# Altium PCB rev2.PcbDoc
Units mil, origin at the board's own origin, x right, y up, seen from the top; angles counter-clockwise.
Board outline 6000 x 4000 mil, 2 copper layers (Top Layer, Bottom Layer); 37 components, 21 nets, 162 pads, 4 vias.
Unrouted connection lines stored in the file: 93.
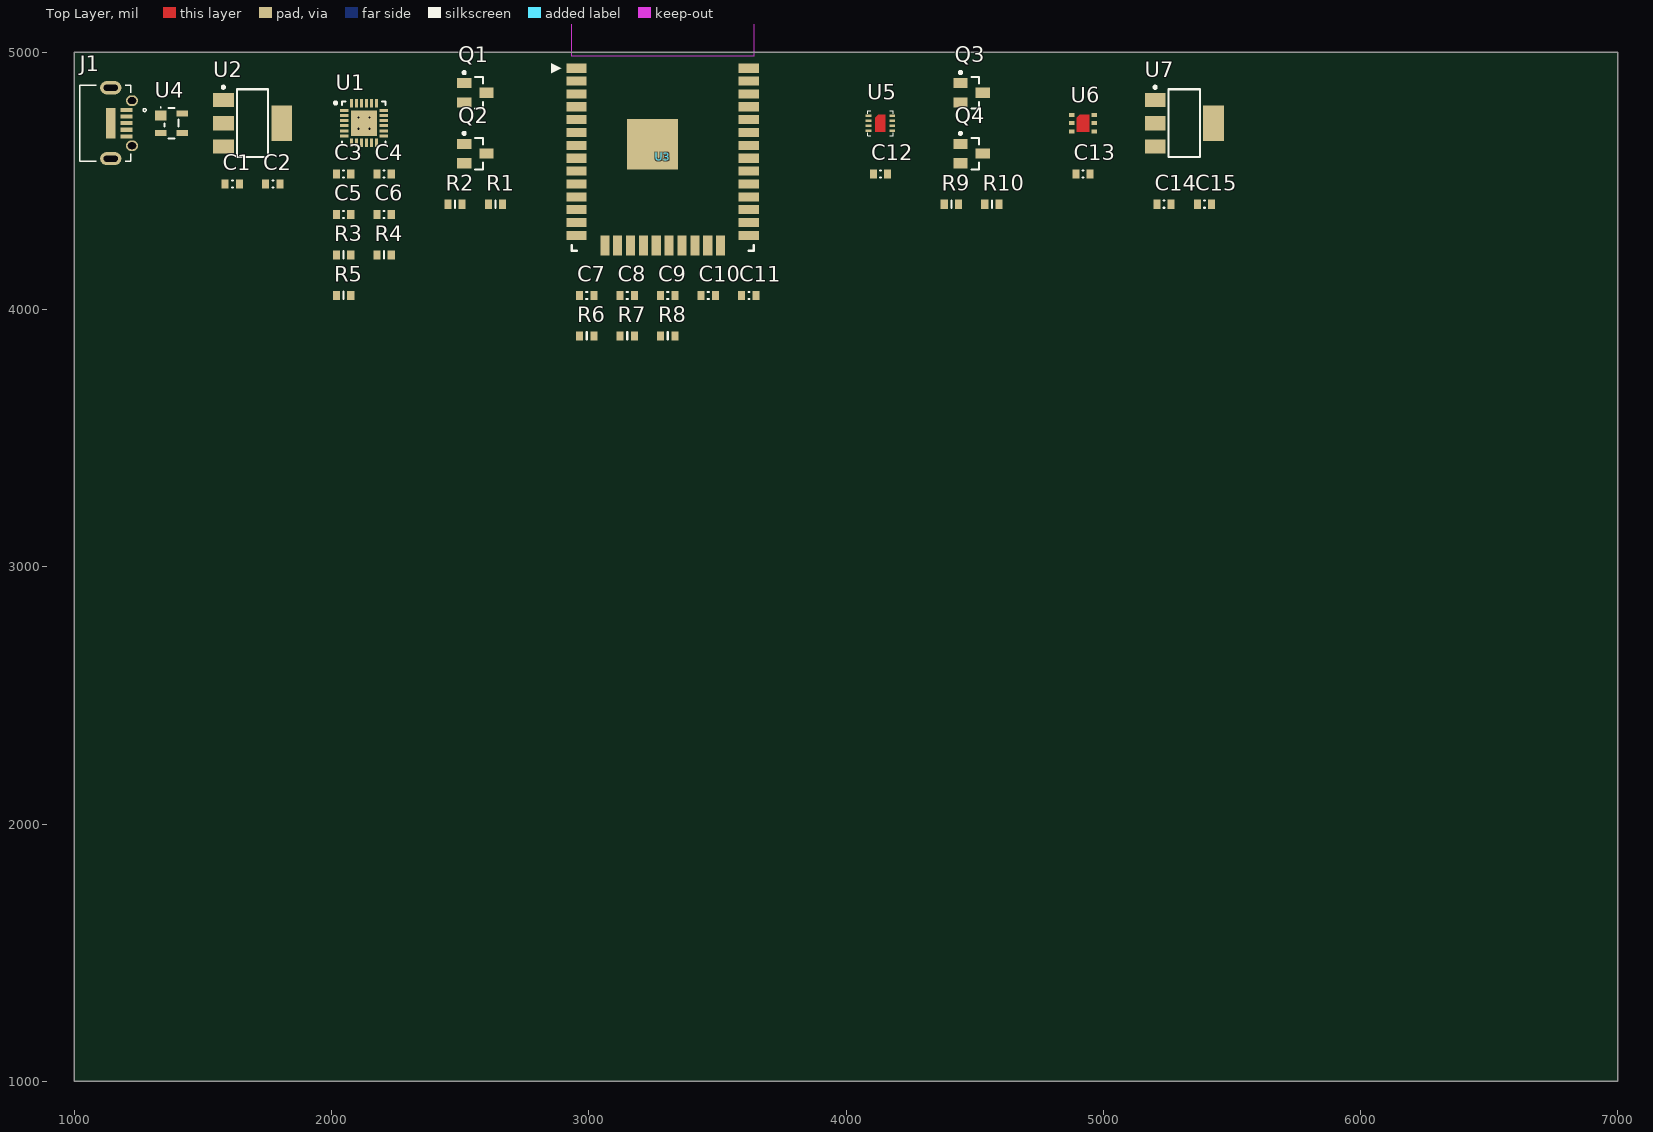
[diagram p0: Top Layer view]
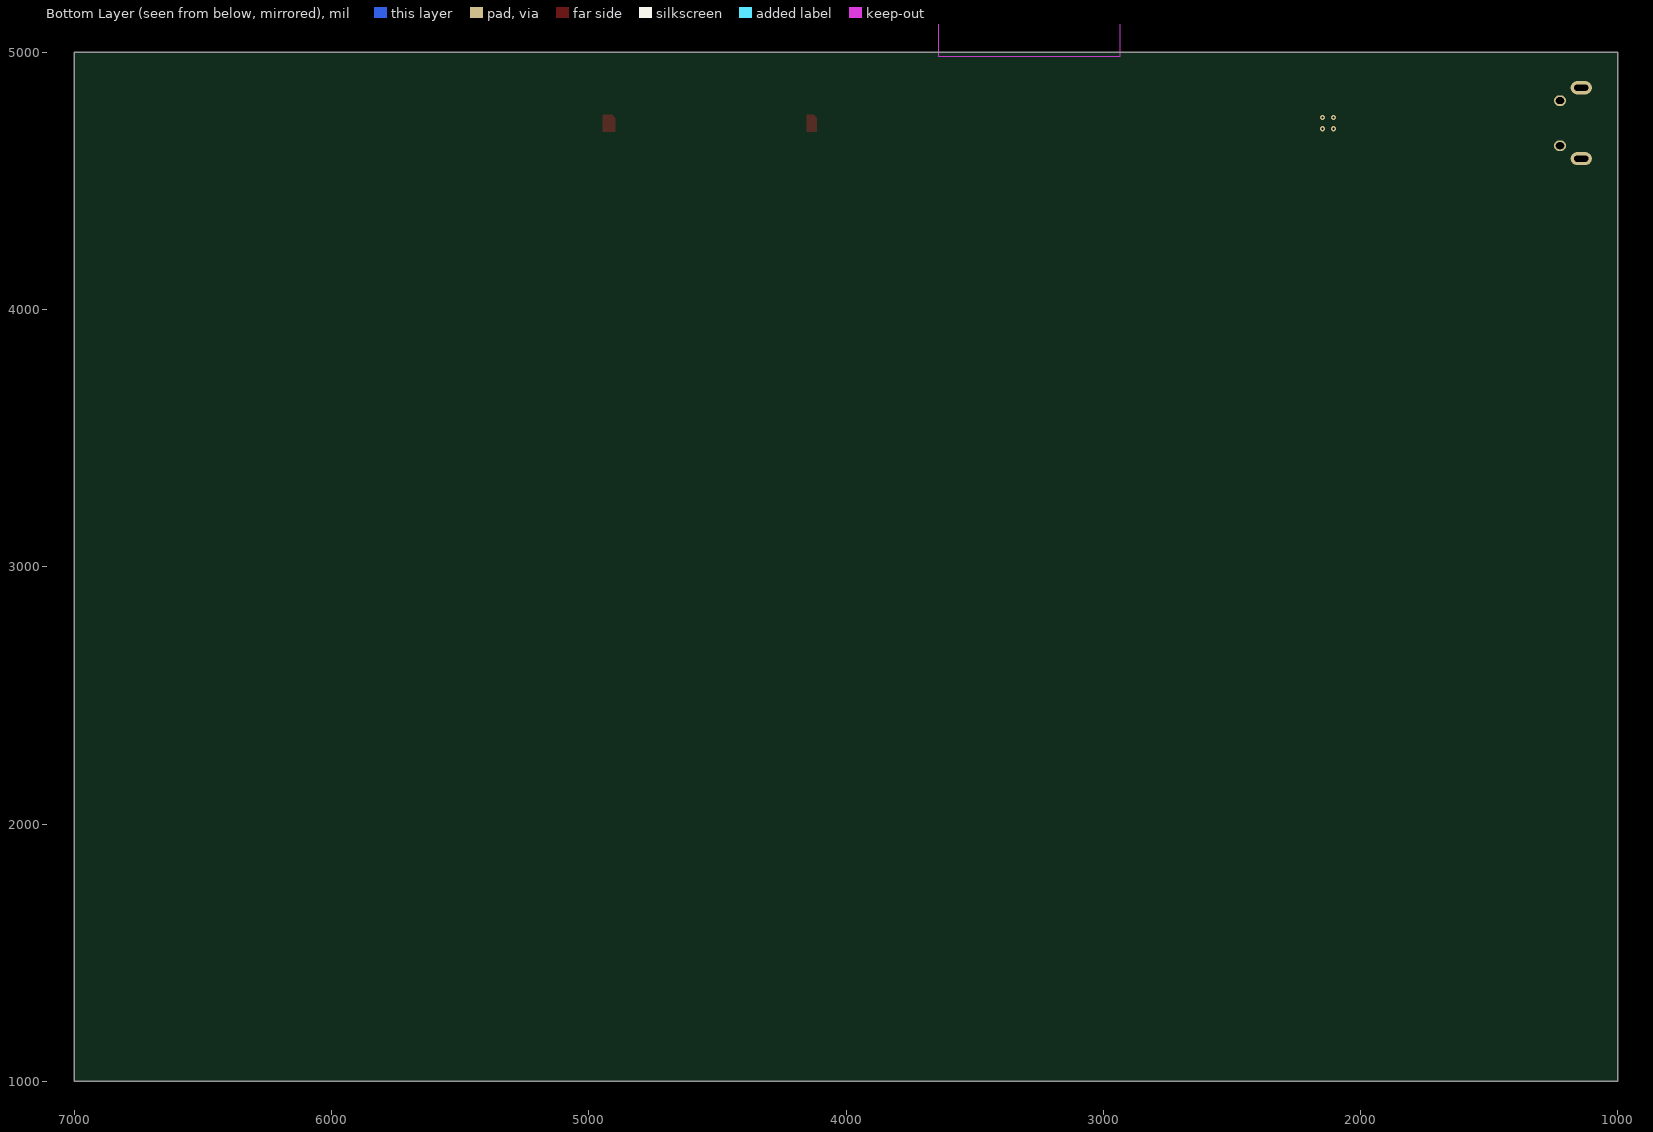
[diagram p1: Bottom Layer view, seen from below]

## Layer stack, top to bottom
Top Solder: solder mask 0.4, Solder Resist, Dk 3.5
Top Layer: signal copper 1.4
Dielectric 1: dielectric 12.6, FR-4, Dk 4.8
Bottom Layer: signal copper 1.4
Bottom Solder: solder mask 0.4, Solder Resist, Dk 3.5

## Board outline
1000,1000 7000,1000 7000,5000 1000,5000

## Design rules (kind name [scope] priority, off if disabled: settings)
Clearance [All] p1: gap=10 ignorepadtopadclearanceinfootprint=FALSE except(0: Arc-Hole Track-Hole SMDPad-Hole THPad-Hole Via-Hole Fill-Hole Poly-Hole Region-Hole Text-Hole)
PolygonConnect [All] p1: connectstyle=Relief reliefconductorwidth=10 reliefentries=4 polygonreliefangle="90 Angle" airgapwidth=10
RoutingVias [All] p1: holewidth=28 width=50 viastyle="Through Hole" minholewidth=28 minwidth=50 maxholewidth=28 maxwidth=50
SolderMaskExpansion [All] p1: expansion=4
Width [All] p1: maxlimit=10 minlimit=10 preferedwidth=10
30 further rules are at their usual default settings.

## Components (designator, comment, footprint, x,y, rotation, side; value= is the part's Value field where it differs from the comment)
C1 "0.1uF" CAP_0603 1614.17,4488.19 r0 top
C2 "10uF" CAP_0603 1771.65,4488.19 r0 top
C3 "0.1uF" CAP_0603 2047.24,4527.56 r0 top
C4 "4.7uF" CAP_0603 2204.72,4527.56 r0 top
C5 "0.1uF" CAP_0603 2047.24,4370.08 r0 top
C6 "4.7uF" CAP_0603 2204.72,4370.08 r0 top
C7 "10uF" CAP_0603 2992.13,4055.12 r0 top
C8 "0.1uF" CAP_0603 3149.61,4055.12 r0 top
C9 "0.1uF" CAP_0603 3307.09,4055.12 r0 top
C10 "0.1uF" CAP_0603 3464.57,4055.12 r180 top
C11 "0.1uF" CAP_0603 3622.05,4055.12 r180 top
C12 "0.1uF" CAP_0603 4133.86,4527.56 r180 top
C13 "0.1uF" CAP_0603 4921.26,4527.56 r180 top
C14 "0.1uF" CAP_0603 5236.22,4409.45 r180 top
C15 "10uF" CAP_0603 5393.7,4409.45 r180 top
J1 "UJ2-MIBH2-4-SMT-TR" CON_USB_MICRO_DRILL 1202.76,4775.59 r0 top
Q1 "SS8050-G" SOT-23 2559.06,4842.52 r0 top
Q2 "SS8050-G" SOT-23 2559.06,4606.3 r0 top
Q3 "BSS138" SOT-23 4488.19,4842.52 r0 top
Q4 "BSS138" SOT-23 4488.19,4606.3 r0 top
R1 "10kΩ" RES_0603_HD 2637.8,4409.45 r0 top
R2 "10kΩ" RES_0603_HD 2480.32,4409.45 r0 top
R3 "1kΩ" RES_0603_HD 2047.24,4212.6 r0 top
R4 "22k1Ω" RES_0603_HD 2204.72,4212.6 r0 top
R5 "47k5Ω" RES_0603_HD 2047.24,4055.12 r0 top
R6 "10kΩ" RES_0603_HD 2992.13,3897.64 r0 top
R7 "10kΩ" RES_0603_HD 3149.61,3897.64 r0 top
R8 "10kΩ" RES_0603_HD 3307.09,3897.64 r0 top
R9 "10kΩ" RES_0603_HD 4409.45,4409.45 r0 top
R10 "10kΩ" RES_0603_HD 4566.93,4409.45 r180 top
U1 "SLAB-CP2102N-QFN-24" SLAB-QFN-24-2550x2550TP_A_V 2125.98,4724.41 r0 top
U2 "LD1117S33TR" SOT-223 1692.91,4724.41 r0 top
U3 "ESP32-WROOM-32D" ESP_WROOM_32D 2933.07,5233.07 r0 top
U4 "SP0503BAHTG" SOT-143 1377.95,4724.41 r0 top
U5 "SHT30" SHT3x_8-VFDFN_Exposed_Pad 4133.86,4724.41 r0 top
U6 "SGP30" SGP30 4921.26,4724.41 r0 top
U7 "LD1117S18TR" SOT-223 5314.96,4724.41 r0 top

## Footprints (in the part's own frame and the unit in brackets; to place one, negate y for a bottom-side part, rotate by r counter-clockwise, add the part's x,y. Pads: shape width x height; smd on the part's side, far side on the other; paste and mask are expansions set on the pad)
CAP_0603 [mm] "Ceramic"
  rect 0.7x0.9 smd: 1(-0.7,0) 2(0.7,0)
  silkscreen extent -0.05,-0.35 0.05,0.35, body extent -0.8,-0.4 0.8,0.4, height 0.6
CON_USB_MICRO_DRILL [mm] "UJ2-MIBH2-4-SMT"
  rect 1.2x0.4 smd: 1(0,0) 2(0,-0.65) 3(0,-1.3) 4(0,-1.95) 5(0,-2.6)
  oval 2.1x1.3 hole 0.6 slot 1.4 at 0 deg: SH(-1.55,-4.8) SH(-1.55,2.2)
  rect 0.9x3 smd: SH(-1.55,-1.3)
  oval 1.2x1.05 hole 0.65 slot 0.8 at 0 deg: SH(0.55,-3.525) SH(0.55,0.925)
  silkscreen extent -4.6,-5.05 1.95,2.45, body extent -4.62,-5.05 0.67,2.45, height 2.81
ESP_WROOM_32D [mm] "ESP32 SoM"
  rect 2x0.9 smd: 1(0.5,-7.49) 2(0.5,-8.76) 3(0.5,-10.03) 4(0.5,-11.3) 5(0.5,-12.57) 6(0.5,-13.84) 7(0.5,-15.11) 8(0.5,-16.38) 9(0.5,-17.65) 10(0.5,-18.92) 11(0.5,-20.19) 12(0.5,-21.46) 13(0.5,-22.73) 14(0.5,-24) 25(17.5,-24) 26(17.5,-22.73) 27(17.5,-21.46) 28(17.5,-20.19) 29(17.5,-18.92) 30(17.5,-17.65) 31(17.5,-16.38) 32(17.5,-15.11) 33(17.5,-13.84) 34(17.5,-12.57) 35(17.5,-11.3) 36(17.5,-10.03) 37(17.5,-8.76) 38(17.5,-7.49)
  rect 0.9x2 smd: 15(3.285,-25) 16(4.555,-25) 17(5.825,-25) 18(7.095,-25) 19(8.365,-25) 20(9.635,-25) 21(10.905,-25) 22(12.175,-25) 23(13.445,-25) 24(14.715,-25)
  rect 5x5 smd: 39(8,-14.99)
  Keep-Out Layer region: 0,0 18,0 18,-6.3 0,-6.3
  silkscreen extent -2,-25.5 18,-6.99, body extent 0,-25.5 18,0, height 2.91
RES_0603_HD [mm] "Chip Resistor, Body 1.6x0.8mm, IPC High Density"
  rect 0.7x0.9 smd: 1(-0.7,0) 2(0.7,0)
  silkscreen extent 0,-0.38 0,0.38, body extent -0.8,-0.4 0.8,0.4, height 0.41
SGP30 [mm]
  rect 0.55x0.4 smd: 1(-1.1,0.8) 2(-1.1,0) 3(-1.1,-0.8) 4(1.1,-0.8) 5(1.1,0) 6(1.1,0.8)
  Top Layer region: -0.625,-0.85 -0.625,0.55 -0.325,0.85 0.625,0.85 0.625,-0.85
  body extent -1.23,-1.22 1.23,1.23, height 0.9
SHT3x_8-VFDFN_Exposed_Pad [mm] "Sensirion SHT3x 8-DFN"
  rect 0.55x0.25 smd: 1(-1.175,0.75) 2(-1.175,0.25) 3(-1.175,-0.25) 4(-1.175,-0.75) 5(1.175,-0.75) 6(1.175,-0.25) 7(1.175,0.25) 8(1.175,0.75)
  Top Layer region: -0.5,0.537 -0.5,-0.863 0.5,-0.863 0.5,0.838 -0.2,0.838
  silkscreen extent -1.25,-1.25 1.25,1.25, body extent -1.26,-1.25 1.26,1.25, height 0.9
SLAB-QFN-24-2550x2550TP_A_V [mm] "QFN, 6-Leads, Body 4x4mm, Pitch 0.5mm, Thermal Pad 2.55x2.55mm"
  rect 0.85x0.3 smd: 1(-1.95,1.25) 2(-1.95,0.75) 3(-1.95,0.25) 4(-1.95,-0.25) 5(-1.95,-0.75) 6(-1.95,-1.25) 13(1.95,-1.25) 14(1.95,-0.75) 15(1.95,-0.25) 16(1.95,0.25) 17(1.95,0.75) 18(1.95,1.25)
  rect 0.3x0.85 smd: 7(-1.25,-1.95) 8(-0.75,-1.95) 9(-0.25,-1.95) 10(0.25,-1.95) 11(0.75,-1.95) 12(1.25,-1.95) 19(1.25,1.95) 20(0.75,1.95) 21(0.25,1.95) 22(-0.25,1.95) 23(-0.75,1.95) 24(-1.25,1.95)
  rect 2.55x2.55 smd: 25(0,0)
  silkscreen extent -2.92,-2.15 2.15,2.15, body extent -2,-2 2,2, height 0.8
SOT-23 [mm] "SOT23, 3-Leads, Body 3.12x1.5mm, Pitch 0.95mm"
  rect 1.4x1 smd: 1(-1.1,0.95) 2(-1.1,-0.95) 3(1.1,0)
  silkscreen extent -1.22,-1.55 0.75,2.12, body extent -1.35,-1.56 1.35,1.56, height 1.2
SOT-143 [mm]
  rect 1.15x1 smd: 1(-1.075,0.75)
  rect 1.15x0.6 smd: 2(-1.075,-0.95) 3(1.075,-0.95) 4(1.075,0.95)
  silkscreen extent -1.12,-1.5 0.7,1.6, body extent -1.18,-1.43 1.24,1.49, height 1
SOT-223 [mm]
  rect 2.05x1.4 smd: 1(-2.875,2.3) 2(-2.875,0) 3(-2.875,-2.3)
  rect 2.05x3.5 smd: 4(2.875,0)
  silkscreen extent -3,-3.35 1.55,3.67, body extent -3.37,-3.25 3.63,3.25, height 1.64

## Part data
C1 C3 C5 C8 C9 C10 C11 C12 C13 C14: library part CAP_0.1uF_16V_0603, "CAP CER 0.1UF 16V X7R 0603", Capacitance=100nF, Case/Package=0603, Case Code (Metric)=1608, Dielectric=X7R, Manufacturer=Murata, Manufacturer Part Number=GCM188R71C104KA37D, Max Operating Temperature=125°C, Min Operating Temperature=-55°C, Package Quantity=4000, Ratings=AEC-Q200, Supplier Part Number 1=490-4774-1-ND, Tolerance=10%, Voltage=16V, Case Code (Imperial)=0603, Depth=0.8mm, Height=0.8mm, Lead Free="Lead Free", Length=1.6mm, Mount="Surface Mount", Packaging="Tape and Reel", Pricing 1="1=0.1, 10=0.076, 100=0.0341, 500=0.0243, 1000=0.0191 (USD)", Radiation Hardening=No, REACH SVHC="No SVHC", Stock 1=40000, Supplier 1=Digi-Key, Termination=SMD/SMT, Thickness=0.035inch, Voltage Rating=16V, Voltage Rating (DC)=16V, Width=0.031inch
C2 C7 C15: library part CAP_10uF_16V_0603, "10µF ±20% 16V X5R Ceramic Capacitor -55°C ~ 85°C Surface Mount, MLCC 0603 (1608 Metric) 0.063\" L x 0.031\" W (1.60mm x 0.80mm)", Case/Package=0603, Case Code (Metric)=1608, Dielectric=X5R, Manufacturer=Murata, Manufacturer Part Number=GRM188R61C106MA73D, Max Operating Temperature=85°C, Min Operating Temperature=-55°C, Package Quantity=4000, Tolerance=20%, Voltage=16V, Capacitance=10uF, Case Code (Imperial)=0603, Depth=0.8mm, Height=0.8mm, Lead Free="Lead Free", Length=1.6mm, Mount="Surface Mount", Packaging="Tape and Reel", Pricing 1="1=0.45, 10=0.311, 100=0.1867, 500=0.14, 1000=0.1183 (USD)", REACH SVHC="No SVHC", Stock 1=0, Supplier 1=Digi-Key, Thickness=0.031inch, Voltage Rating=16V, Voltage Rating (DC)=16V, Width=0.031inch
C4 C6: library part CAP_4.7uF_16V_0603, "Cap Ceramic 4.7uF 16V X5R 10% SMD 0603 85C Paper T/R", Case/Package=0603, Case Code (Metric)=1608, Dielectric=X5R, Manufacturer=Samsung, Manufacturer Part Number=CL10A475KO8NNNC, Max Operating Temperature=85°C, Min Operating Temperature=-55°C, Package Quantity=1, Supplier Part Number 1=1276-1784-1-ND, Tolerance=10%, Voltage=16V, Capacitance=4.7uF, Case Code (Imperial)=0603, Contact Plating=Tin, Depth=0.8mm, Height=0.8mm, Length=1.6mm, Material=Ceramic, Mount="Surface Mount", Packaging="Tape and Reel", Pricing 1="1=0.3, 10=0.203, 100=0.1148, 500=0.081, 1000=0.0709 (USD)", Radiation Hardening=No, Stock 1=40000, Supplier 1=Digi-Key, Thickness=0.035inch, Voltage Rating=16V, Width=0.031inch
J1: library part CON_USB_MICRO_DRILL, "UJ2-MIBH2-4-SMT-TR MICRO B USB JACK", Manufacturer=CUI, Supplier Part Number 1=102-4007-1-ND, Manufacturer Part Number=UJ2-MIBH2-4-SMT-TR, Number of Pins=5, Pricing 1="1=1.02, 10=0.898, 25=0.8448, 50=0.8096, 100=0.7744, 250=0.704, 500=0.6336 (USD)", Stock 1=5971, Supplier 1=Digi-Key
Q1 Q2: library part NPN_1.5A_SOT23, "S8050-G NPN1.5A 40V SOT-23 R", Case/Package=TO-236-3, Collector Emitter Breakdown Voltage=25V, Collector Emitter Voltage (VCEO)=400mV, Manufacturer=Comchip, Max Collector Current=1.5A, Max Power Dissipation=300mW, Supplier Part Number 1=641-1790-1-ND, Transition Frequency=100MHz, Manufacturer Part Number=SS8050-G, Max Breakdown Voltage=25V, Mount="Surface Mount", Packaging="Tape and Reel", Pricing 1="1=0.24, 10=0.219, 25=0.1576, 100=0.1227, 250=0.0771, 500=0.0657, 1000=0.0447 (USD)", Stock 1=0, Supplier 1=Digi-Key
Q3 Q4: library part BSS138_N_MOSFET_SOT-23, "MOSFET N-CH 50V 220MA SOT-23", Case/Package=SOT-23, Continuous Drain Current (ID)=220mA, Drain to Source Breakdown Voltage=50V, Drain to Source Resistance=3.5R, Gate to Source Voltage (Vgs)=20V, Input Capacitance=27pF, Manufacturer="ON Semiconductor / Fairchild", Max Operating Temperature=150°C, Max Power Dissipation=360mW, Min Operating Temperature=-55°C, On-State Resistance=6R, Package Quantity=1, Supplier Part Number 1=BSS138CT-ND, Threshold Voltage=1.3V, Contact Plating=Matte,Tin, Current Rating=220mA, Drain to Source Voltage (Vdss)=50V, Dual Supply Voltage=50V, Element Configuration=Single, Fall Time=9ns, Height=0.93mm, Lead Free="Lead Free", Length=2.92mm, Manufacturer Part Number=BSS138, Mount="Surface Mount", Nominal Vgs=1.3V, Number of Elements=1, Number of Pins=3, Packaging="Tape and Reel", Power Dissipation=360mW, Pricing 1="1=0.32, 10=0.292, 100=0.1633, 500=0.0875, 1000=0.0595 (USD)", Radiation Hardening=No, Rds On Max=3.5R, REACH SVHC="No SVHC", Rise Time=9ns, Stock 1=1411776, Supplier 1=Digi-Key, Termination=SMD/SMT, Turn-Off Delay Time=20ns, Turn-On Delay Time=2.5ns, Voltage Rating (DC)=50V, Weight=0.03g, Width=1.3mm
R1 R2 R6 R7 R8 R9 R10: library part RES_10k_0603, "Res Thin Film 0603 10K Ohm 1% 1/8W 100ppm/C Molded SMD SMD Paper T/R", Case/Package=0603, Case Code (Metric)=1608, Manufacturer="Stackpole Electronics", Manufacturer Part Number=RNCP0603FTD10K0, Max Operating Temperature=155°C, Max Power Dissipation=125mW, Min Operating Temperature=-55°C, Resistance=10kR, Supplier Part Number 1=RNCP0603FTD10K0CT-ND, Temperature Coefficient=100ppm/°C, Tolerance=1%, Case Code (Imperial)=0603, Composition="Thin Film", Contact Plating=Matte,Tin, Features="Anti-Sulfur,Moisture Resistant", Height=0.02inch, Lead Free="Lead Free", Length=0.059inch, Mount="Surface Mount", Number of Terminations=2, Packaging="Tape and Reel", Pricing 1="1=0.1, 10=0.067, 100=0.0273, 1000=0.0122, 2500=0.0106 (USD)", Radiation Hardening=No, Stock 1=72973, Supplier 1=Digi-Key, Width=0.031inch
R3: library part RES_1k_0603, "RMCF Series 1 kOhms ±5% 0603 ±200 ppm/°C SMT Thick Film Chip Resistor", Case/Package=0603, Case Code (Metric)=1608, Manufacturer="Stackpole Electronics", Manufacturer Part Number=RMCF0603JJ1K00, Max Operating Temperature=155°C, Max Power Dissipation=100mW, Min Operating Temperature=-55°C, Resistance=1kR, Supplier Part Number 1=RMCF0603JJ1K00CT-ND, Temperature Coefficient=200ppm/°C, Tolerance=5%, Case Code (Imperial)=0603, Composition="Thick Film", Features="Automotive AEC-Q200", Height=0.022inch, Lead Free="Lead Free", Length=0.061inch, Mount="Surface Mount", Number of Terminations=2, Packaging="Tape and Reel", Power Rating=100mW, Pricing 1="1=0.1, 10=0.016, 100=0.0064, 1000=0.0029, 2500=0.0025, 5000=0.0021 (USD)", Stock 1=6000, Supplier 1=Digi-Key, Width=0.031inch
R4: library part RES_22k1_0603, "RES SMD 22.1K OHM 1% 1/8W 0603", Case/Package=0603, Case Code (Metric)=1608, Manufacturer="Stackpole Electronics", Manufacturer Part Number=RNCP0603FTD22K1, Max Operating Temperature=155°C, Max Power Dissipation=125mW, Min Operating Temperature=-55°C, Resistance=22.1kR, Supplier Part Number 1=RNCP0603FTD22K1CT-ND, Temperature Coefficient=100ppm/°C, Tolerance=1%, Case Code (Imperial)=0603, Composition="Thin Film", Features="Anti-Sulfur,Moisture Resistant", Height=0.02inch, Length=0.059inch, Mount="Surface Mount", Number of Terminations=2, Packaging="Tape and Reel", Pricing 1="1=0.1, 10=0.067, 100=0.0273, 1000=0.0122, 2500=0.0106 (USD)", Stock 1=1191, Supplier 1=Digi-Key, Width=0.031inch
R5: library part RES_47k5_0603, "Res Thick Film 0603 47.5K Ohm 1% 1/10W 100ppm/C Molded SMD SMD Paper T/R", Case/Package=0603, Case Code (Metric)=1608, Manufacturer="Stackpole Electronics", Manufacturer Part Number=RMCF0603FG47K5, Max Operating Temperature=155°C, Max Power Dissipation=100mW, Min Operating Temperature=-55°C, Package Quantity=1, Resistance=47.5kR, Supplier Part Number 1=RMCF0603FG47K5CT-ND, Temperature Coefficient=100ppm/°C, Tolerance=1%, Case Code (Imperial)=0603, Composition="Thick Film", Contact Plating=Matte,Tin, Features="Automotive AEC-Q200", Height=0.022inch, Length=0.061inch, Mount="Surface Mount", Number of Terminations=2, Packaging="Tape and Reel", Pricing 1="1=0.1, 10=0.018, 100=0.0071, 1000=0.0032, 2500=0.0028, 5000=0.0023 (USD)", Radiation Hardening=No, Stock 1=5202, Supplier 1=Digi-Key, Width=0.031inch
U2: library part LDO_3V3_LD1117S33TR, "STMICROELECTRONICS         LD1117S33TR            Fixed LDO Voltage Regulator, 4.75V to 15V, 1.1V Dropout, 3.3Vout, 800mAout, SOT-223-3", Case/Package=SOT-223, Dropout Voltage=1.1V, Input Bias Current=5mA, Manufacturer=STMicroelectronics, Max Input Voltage=15V, Max Operating Temperature=125°C, Max Output Current=1.3A, Max Output Voltage=3.3V, Max Power Dissipation=12W, Min Input Voltage=4.75V, Min Operating Temperature=0°C, Output Current=800mA, Output Voltage Accuracy=1%, Package Quantity=1, Quiescent Current=10mA, Supplier Part Number 1=497-1242-1-ND, Accuracy=1%, ComponentLink1Description=https://datasheet.ciiva.com/19478/1390240-19478097.pdf, ComponentLink1URL=https://datasheet.ciiva.com/19478/1390240-19478097.pdf, ComponentLink2Description=https://datasheet.ciiva.com/1511/1776449-1511573.pdf, ComponentLink2URL=https://datasheet.ciiva.com/1511/1776449-1511573.pdf, ComponentLink3Description=https://datasheet.ciiva.com/2041/cd00000544-2041941.pdf, ComponentLink3URL=https://datasheet.ciiva.com/2041/cd00000544-2041941.pdf, ComponentLink4Description=https://datasheet.ciiva.com/2041/cd00000544-2041942.pdf, ComponentLink4URL=https://datasheet.ciiva.com/2041/cd00000544-2041942.pdf, ComponentLink5Description=https://datasheet.ciiva.com/2041/cd00000544-2041943.pdf, ComponentLink5URL=https://datasheet.ciiva.com/2041/cd00000544-2041943.pdf, ComponentLink6Description=https://datasheet.ciiva.com/16396/cd00000544-16396459.pdf, ComponentLink6URL=https://datasheet.ciiva.com/16396/cd00000544-16396459.pdf, ComponentLink7Description=https://datasheet.ciiva.com/7992/1776449-7992621.pdf, ComponentLink7URL=https://datasheet.ciiva.com/7992/1776449-7992621.pdf, ComponentLink8Description=https://datasheet.ciiva.com/28652/1776449-28652462.pdf, ComponentLink8URL=https://datasheet.ciiva.com/28652/1776449-28652462.pdf, Contact Plating=Tin,Matte, Height=1.8mm, Lead Free="Lead Free", Length=6.5mm, Manufacturer Part Number=LD1117S33TR, Max Supply Voltage=15V, Min Output Voltage=3.3V, Min Supply Voltage=4.75V, Mount="Surface Mount", Nominal Output Voltage=3.3V, Number of Outputs=1, Number of Pins=4, Number of Regulators=1, Output Type=Fixed, Output Voltage=3.3V, Packaging="Tape and Reel", Polarity=Positive, Power Dissipation=12W, Pricing 1="1=0.42, 10=0.361, 100=0.2697, 500=0.2119, 1000=0.1637 (USD)", Radiation Hardening=No, REACH SVHC="No SVHC", Stock 1=10, Supplier 1=Digi-Key, Termination=SMD/SMT, Voltage=3.3V, Weight=0.01lb, Width=3.5mm
U3: library part ESP-WROOM-32D, Manufacturer="Espressif Systems", Supplier Part Number 1=1904-1023-1-ND, Manufacturer Part Number=ESP32-WROOM-32D, Stock 1=0, Supplier 1=Digi-Key
U4: library part DIODE_TVSx3, "SP0503BAHTG TVS DIODE 5.5VWM 8.5VC SOT143", Breakdown Voltage=5.5V, Capacitance=30pF, Case/Package=SOT-143, Clamping Voltage=8.5V, Leakage Current=100nA, Manufacturer=Littelfuse, Max Operating Temperature=85°C, Max Power Dissipation=225mW, Min Operating Temperature=-40°C, Power Line Protection=No, Supplier Part Number 1=F2715CT-ND, Voltage Rating (DC)=5V, ComponentLink1Description=https://datasheet.ciiva.com/15143/getdatasheetpartid-116020-15143550.pdf, ComponentLink1URL=https://datasheet.ciiva.com/15143/getdatasheetpartid-116020-15143550.pdf, ComponentLink2Description=https://datasheet.ciiva.com/332/sp05xxba-332550.pdf, ComponentLink2URL=https://datasheet.ciiva.com/332/sp05xxba-332550.pdf, ComponentLink3Description=https://datasheet.ciiva.com/8062/littefuse-spa-sp050x-8062422.pdf, ComponentLink3URL=https://datasheet.ciiva.com/8062/littefuse-spa-sp050x-8062422.pdf, ComponentLink4Description=https://datasheet.ciiva.com/22697/1911798-22697942.pdf, ComponentLink4URL=https://datasheet.ciiva.com/22697/1911798-22697942.pdf, ComponentLink5Description=https://datasheet.ciiva.com/332/sp05xxba-332551.pdf, ComponentLink5URL=https://datasheet.ciiva.com/332/sp05xxba-332551.pdf, ComponentLink6Description=https://datasheet.ciiva.com/16449/sp05xxba-16449463.pdf, ComponentLink6URL=https://datasheet.ciiva.com/16449/sp05xxba-16449463.pdf, ComponentLink7Description=https://datasheet.ciiva.com/332/sp05xxba-332552.pdf, ComponentLink7URL=https://datasheet.ciiva.com/332/sp05xxba-332552.pdf, ComponentLink8Description=https://datasheet.ciiva.com/4509/sp05x-leadfree-4509162.pdf, ComponentLink8URL=https://datasheet.ciiva.com/4509/sp05x-leadfree-4509162.pdf, ComponentLink9Description=https://datasheet.ciiva.com/7650/526672-7650894.pdf, ComponentLink9URL=https://datasheet.ciiva.com/7650/526672-7650894.pdf, Composition=Zener, Depth=1.4mm, Diode Type=Avalanche, Direction=Unidirectional, Element Configuration="Common Anode", ESD Protection=Yes, Height=1.05mm, Lead Free="Lead Free", Length=3.04mm, Manufacturer Part Number=SP0503BAHTG, Max Reverse Leakage Current=100nA, Mount="Surface Mount", Number of Channels=3, Number of Elements=3, Number of Pins=4, Number of Unidirectional Channels=3, Operating Supply Voltage=5.5V, Packaging="Tape and Reel", Peak Pulse Power=225mW, Polarity=Unidirectional,Bidirectional, Power Dissipation=225mW, Pricing 1="1=0.92, 10=0.806, 25=0.714, 100=0.622, 250=0.5414, 500=0.4607, 1000=0.3686 (USD)", Radiation Hardening=No, REACH SVHC="No SVHC", Reverse Standoff Voltage=5.5V, Stock 1=123231, Supplier 1=Digi-Key, Termination=SMD/SMT, Width=1.4mm, Working Voltage=5.5V
U5: library part SEN_SHT30-DIS-B, Capacitance=100nF, Manufacturer=Sensirion, Manufacturer Part Number=SHT30-DIS-B, Max Operating Temperature=125°C, Max Supply Voltage=5.5V, Min Operating Temperature=-40°C, Min Supply Voltage=2.4V, Supplier Part Number 1=1649-1009-1-ND, Accuracy=3%, Lead Free="Lead Free", Mount="Surface Mount", Output Type=I2C, Pricing 1="1=3.96, 5=3.496, 10=3.089, 25=2.506, 50=2.2144, 100=2.1562, 500=1.8065, 1000=1.69 (USD)", REACH SVHC=Unknown, Response Time=8s, Sensor Type=Temperature, Stock 1=5931, Supplier 1=Digi-Key
U6: library part SEN_SGP30-2.5K, "Air quality sensor", Manufacturer=Sensirion, Manufacturer Part Number=1-101646-01, Supplier Part Number 1=1649-1084-1-ND, Pricing 1="1=13.7, 5=12.016, 10=10.814, 25=9.6128, 50=8.8916, 100=7.6901, 500=7.2095, 1000=6.7288 (USD)", Stock 1=2448, Supplier 1=Digi-Key
U7: library part LDO_1V8_LD1117S18TR_SOT-223, Case/Package=SOT-223, Dropout Voltage=1.1V, Input Bias Current=5mA, Manufacturer=STMicroelectronics, Max Input Voltage=15V, Max Operating Temperature=125°C, Max Output Current=1.3A, Max Power Dissipation=12W, Min Operating Temperature=0°C, Min Output Voltage=1.8V, Output Current=950mA, Output Voltage Accuracy=1%, Package Quantity=1, Quiescent Current=10mA, Supplier Part Number 1=497-7308-1-ND, Accuracy=1%, Height=1.8mm, Lead Free="Lead Free", Length=6.5mm, Manufacturer Part Number=LD1117S18TR, Mount="Surface Mount", Nominal Output Voltage=1.8V, Number of Outputs=1, Number of Pins=4, Number of Regulators=1, Output Type=Fixed, Output Voltage=1.8V, Packaging="Tape and Reel", Polarity=Positive, Power Dissipation=12W, Pricing 1="1=0.6, 10=0.51, 100=0.3807, 500=0.2991, 1000=0.2311 (USD)", Radiation Hardening=No, REACH SVHC="No SVHC", Stock 1=6805, Supplier 1=Digi-Key, Width=3.5mm

## Via types
v1: diameter 19.68, hole 7.87, Top Layer to Bottom Layer, 4 vias

## Nets (pads, with @x,y where several pads share a name; then routed paths per layer and width w, separated by ;. In a path a pad name is that pad's centre, name@x,y a point inside that pad or via, vN(x,y) a via of type N, cw(c..) or ccw(c..) an arc to the next point about the centre after c; other vN are vias at no path point)
0V: C1.1 C2.1 C3.1 C4.1 C5.1 C6.1 C7.1 C8.1 C9.1 C10.1 C11.1 C12.1 C13.1 C14.1 C15.1 J1.5 R5.1 U1.2 U1.25 U2.1 U3.1 U3.15 U3.38 U3.39 U4.1 U5.2 U5.7 U5.8 U6.2 U6.4 U6.5 U7.1
  other v1: 2104.33,4702.76 2147.64,4702.76 2104.33,4746.06 2147.64,4746.06
1V8: C13.2 C15.2 Q3.1 Q4.1 R9.2 R10.2 U6.1 U7.2 U7.4
3V3: C2.2 C3.2 C4.2 C5.2 C6.2 C7.2 C8.2 C12.2 C14.2 R6.2 R7.2 R8.2 U1.6 U1.7 U2.2 U2.4 U3.2 U5.5 U7.3
5V: C1.2 J1.1 R4.2 U2.3 U4.4
D+: J1.3 U1.3 U4.2
D-: J1.2 U1.4 U4.3
DTR: Q2.2 R1.1 U1.23
ESP_EN: C9.2 C10.2 Q1.3 R6.1 U3.3
ESP_IO0: C11.2 Q2.3 U3.25
ESP_RX: U1.21 U3.34
ESP_TX: U1.20 U3.35
NetQ1_1: Q1.1 R1.2
NetQ2_1: Q2.1 R2.2
NetQ3_2: Q3.2 R9.1 U6.6
NetQ4_2: Q4.2 R10.1 U6.3
NetR3_1: R3.1 U1.5
NetR3_2: R3.2 U1.9
NetR4_1: R4.1 R5.2 U1.8
RTS: Q1.2 R2.1 U1.19
SCL: Q3.3 R8.1 U3.27 U5.4
SDA: Q4.3 R7.1 U3.28 U5.1
pads on no net: J1.4 J1.SH U1.1 U1.10 U1.11 U1.12 U1.13 U1.14 U1.15 U1.16 U1.17 U1.18 U1.22 U1.24 U3.4 U3.5 U3.6 U3.7 U3.8 U3.9 U3.10 U3.11 U3.12 U3.13 U3.14 U3.16 U3.17 U3.18 U3.19 U3.20 U3.21 U3.22 U3.23 U3.24 U3.26 U3.29 U3.30 U3.31 U3.32 U3.33 U3.36 U3.37 U5.3 U5.6